# Altium PCB BDD_modul_ARM_v2.1_PCB.PcbDoc
Units mm, origin at the board's own origin, x right, y up, seen from the top; angles counter-clockwise.
Board outline 98 x 84 mm, 2 copper layers (Top Layer, Bottom Layer); 119 components, 78 nets, 389 pads, 143 vias.
Unrouted connection lines stored in the file: 1.
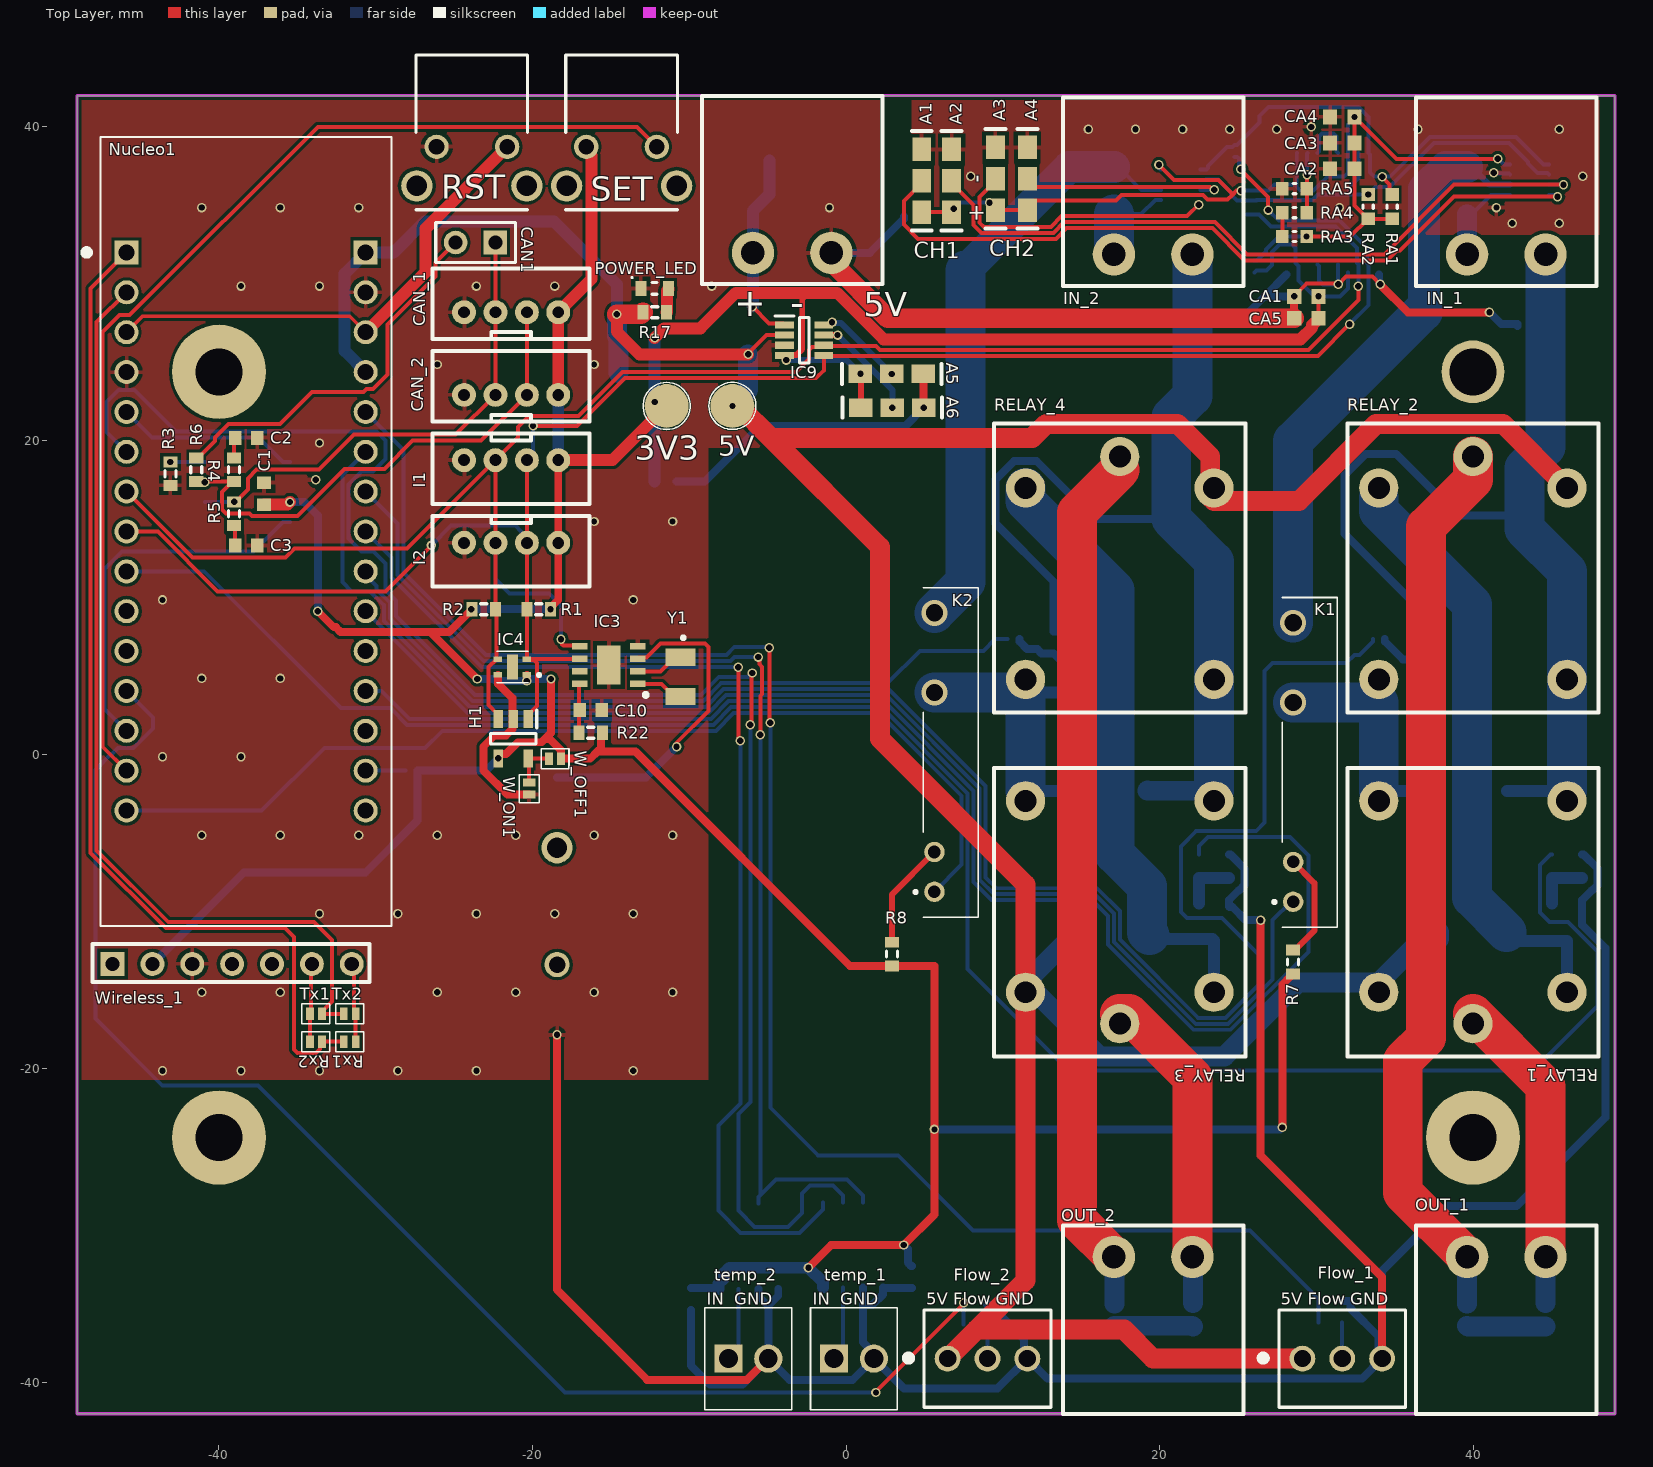
[diagram p0: Top Layer view]
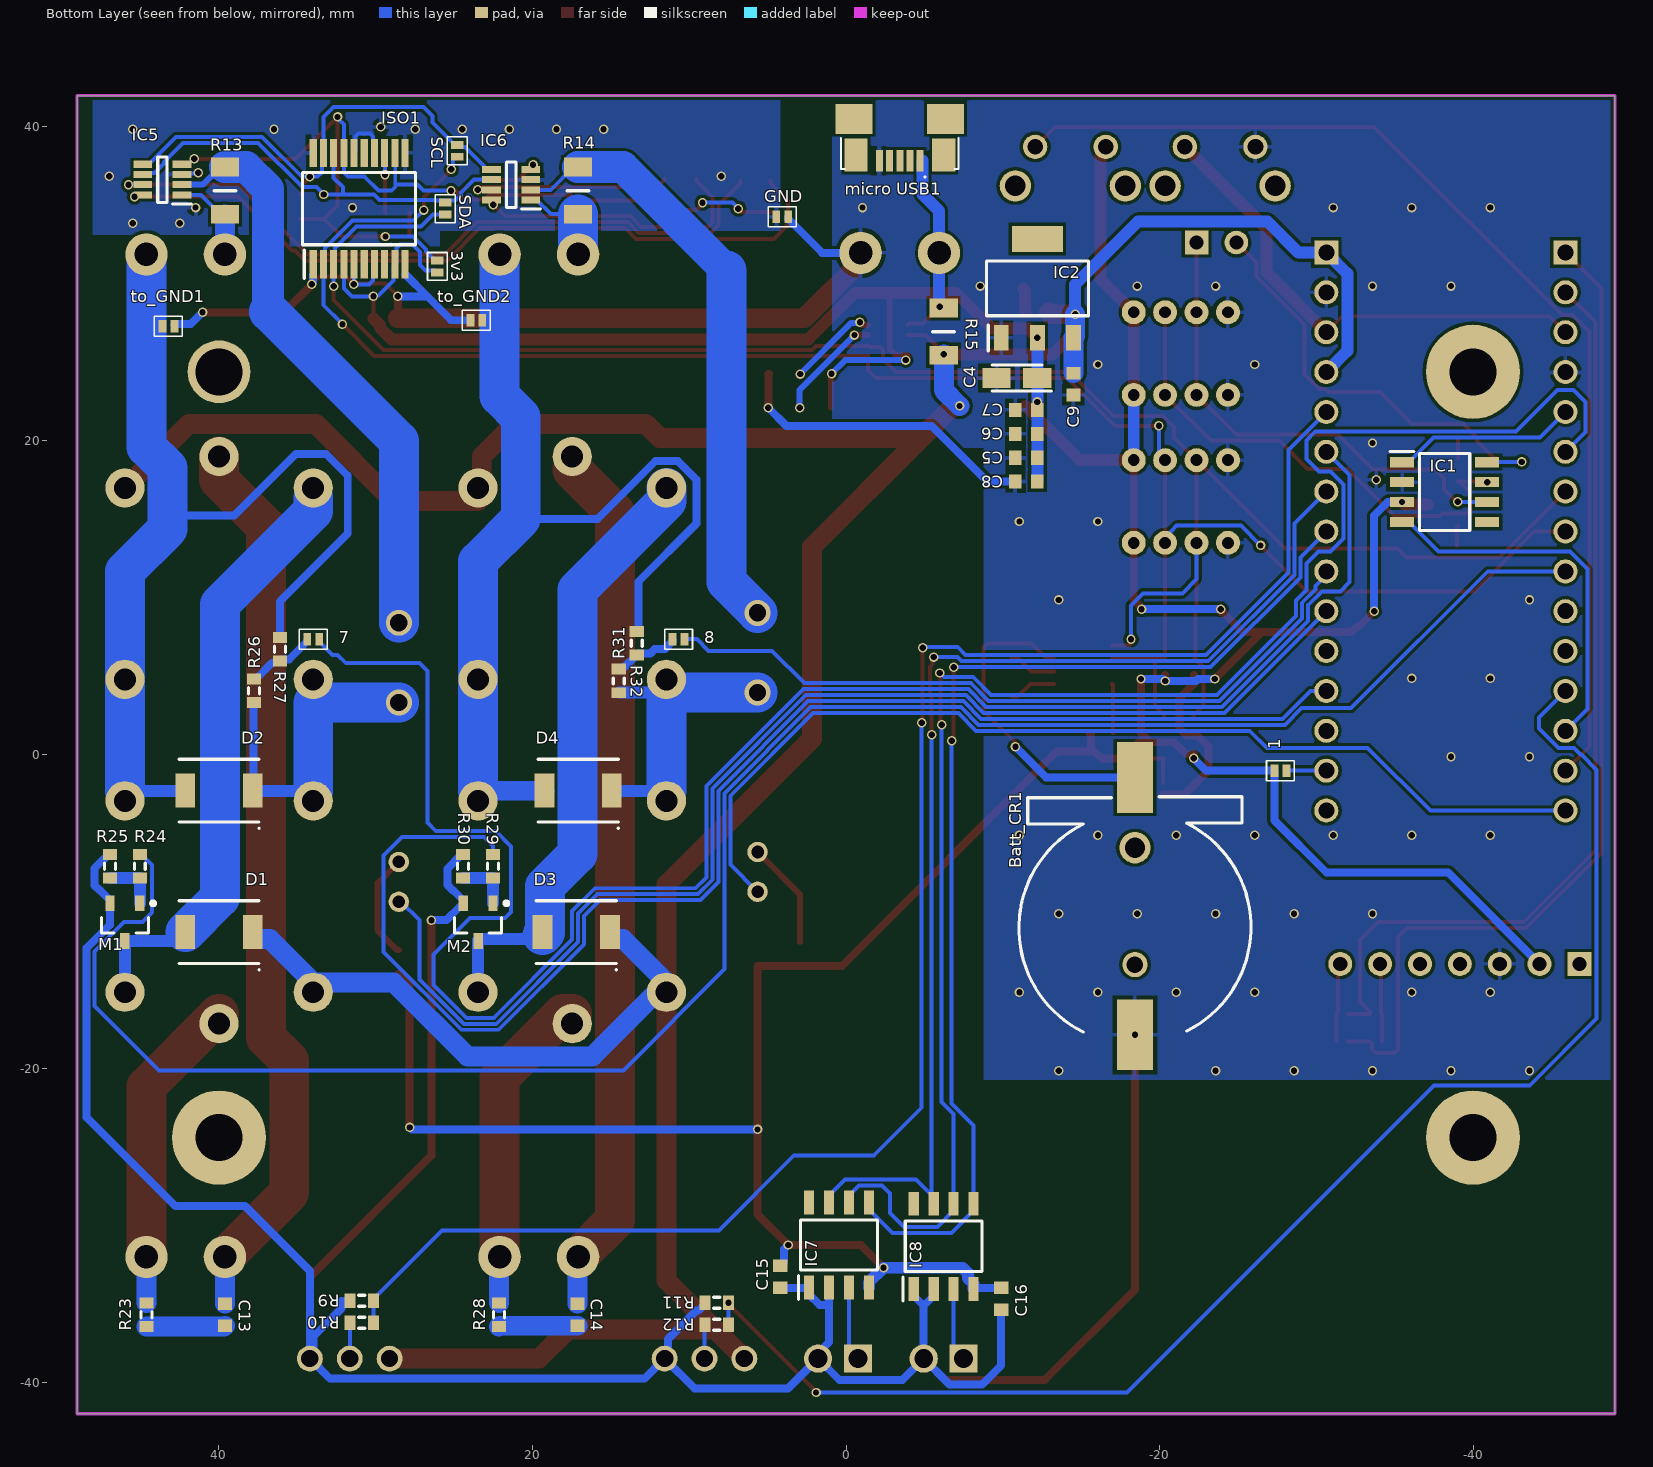
[diagram p1: Bottom Layer view, seen from below]

## Layer stack, top to bottom
Top Solder: solder mask 0.0102, Solder Resist, Dk 3.5
Top Layer: signal copper 0.0356
Dielectric 1: dielectric 0.32, FR-4, Dk 4.8
Bottom Layer: signal copper 0.0356
Bottom Solder: solder mask 0.0102, Solder Resist, Dk 3.5

## Board outline
-49,-42 49,-42 49,42 -49,42

## Design rules (kind name [scope] priority, off if disabled: settings)
Clearance [All] p1: gap=0.2 ignorepadtopadclearanceinfootprint=TRUE except(0.127: Arc-Arc Arc-Track Track-Track SMDPad-SMDPad; 0.54: THPad-THPad)
HoleSize [All] p1: absolutevalues=TRUE maxlimit=6.3 minlimit=0.2 maxpercent=80.000 minpercent=20.000
PolygonConnect [All] p1: connectstyle=Relief reliefconductorwidth=0.254 reliefentries=4 polygonreliefangle="90 Angle" airgapwidth=0.254
RoutingVias [All] p1: holewidth=0.4 width=0.6 viastyle="Through Hole" minholewidth=0.2 minwidth=0.4 maxholewidth=6.3 maxwidth=10
SilkToSilkClearance [All] p1: silktosilkclearance=0.025
SilkToSolderMaskClearance [IsPad] p1: minsilkscreentomaskgap=0.025 clearancetoexposedcopper=TRUE
SolderMaskExpansion [All] p1: expansion=0.102
Width [All] p1: maxlimit=25.4 minlimit=0.089 preferedwidth=0.254
27 further rules are at their usual default settings.

## Classes and differential pairs
component class Termoclanok: C15 C16 IC7 IC8 temp_1 temp_2
component class Izolator: 3v3 CA1 CA2 CA3 CA4 CA5 GND ISO1 RA1 RA2 RA3 RA4 RA5 SCL SDA
component class SHTC3: IC4
component class RTC: Batt_CR1 C10 IC3 R22 Y1
component class power_5V: 5V A5 A6 IC9 "micro USB1" R15
component class power_3V3: 3v3 C4 C5 C6 C7 C8 C9 IC2 POWER_LED R17
component class polarita_BDD_1: 7 C13 D1 D2 M1 R23 R24 R25 R26 R27 RELAY_1 RELAY_2 to_GND1
component class PAC_BDD_2: A3 A4 IC6 R14
component class PAC_BDD_1: A1 A2 IC5 R13
component class Flow: Flow_1 Flow_2 R9 R10 R11 R12
component class Eprom: H1 W_OFF1 W_ON1
component class Duty_cycle_BDD_2: K2 R8
component class Duty_cycle_BDD_1: K1 R7
component class Designator: C1 C2 C3 CAN1 IC1 R3 R4 R5 R6
component class polarita_BDD_2: 8 C14 D3 D4 M2 R28 R29 R30 R31 R32 RELAY_3 RELAY_4 to_GND2
component class BDD_modul_ARM_v2.1_Sheet: 1 CAN_1 CAN_2 I1 I2 IN_1 IN_2 Nucleo1 Nucleo? OUT_1 OUT_2 R1 R2 RST Rx1 Rx2 SET Tx1 Tx2 Wireless_1

## Components (designator, comment, footprint, x,y, rotation, side; value= is the part's Value field where it differs from the comment)
1 "JMP" JMP -27.686,-1.016 r0 bottom
3v3 "JMP" JMP 26.035,31.115 r90 bottom
3V3 "3V3" 1508000150000030 -11.43,22.225 r90 top
5V "5V" 1508000150000030 -7.239,22.225 r180 top
5V "B+,A-" CON_2CH_PLUG -3.429,31.98 r180 top (schematic designator 3)
7 "JMP" JMP 33.95,7.366 r180 bottom
8 "JMP" JMP 10.668,7.366 r180 bottom
A1 "ADR_PAD" SOLDER_PAD 4.826,36.576 r0 top (schematic designator A1_1)
A2 "ADR_PAD" SOLDER_PAD 6.731,36.576 r0 top (schematic designator A0_1)
A3 "ADR_PAD" SOLDER_PAD 9.525,36.703 r0 top (schematic designator A1_2)
A4 "ADR_PAD" SOLDER_PAD 11.557,36.703 r0 top (schematic designator A0_2)
A5 "ADR_PAD" SOLDER_PAD 2.921,24.273 r270 top
A6 "ADR_PAD" SOLDER_PAD 2.953,22.114 r270 top
Batt_CR1 "Battery" "Battery 1220" -18.415,-9.652 r0 bottom
C1 "0,1uF" 1608[0603] -37.084,16.637 r90 top value=100pF
C2 "560pF" 1608[0603] -38.227,20.193 r0 top value=100pF
C3 "560pF" 1608[0603] -38.227,13.335 r0 top value=100pF
C4 "10uF" CAPPM3216X180N -10.892,24.003 r0 bottom
C5 "4,7uF" 1608[0603] -11.492,18.923 r0 bottom value=100pF
C6 "4,7uF" 1608[0603] -11.492,20.447 r0 bottom value=100pF
C7 "4,7uF" 1608[0603] -11.492,21.971 r0 bottom value=100pF
C8 "4,7uF" 1608[0603] -11.492,17.399 r0 bottom value=100pF
C9 "100nF" 1608[0603] -14.492,23.622 r270 bottom value=100pF
C10 "3.3uF" 1608[0603] -16.256,2.841 r0 top
C13 "100nF" 1608[0603] 39.577,-35.687 r90 bottom value=100pF
C14 "100nF" 1608[0603] 17.105,-35.687 r90 bottom value=100pF
C15 "0.1uF" 1608[0603] 4.191,-33.274 r90 bottom
C16 "0.1uF" 1608[0603] -9.892,-34.671 r90 bottom
CA1 "100n" Capacitor 29.337,29.21 r180 top
CA2 "100n" Capacitor 31.623,37.338 r180 top
CA3 "100n" Capacitor 31.623,38.989 r180 top
CA4 "22u" Capacitor 31.623,40.64 r180 top
CA5 "10u" Capacitor 29.337,27.813 r180 top
CAN1 "Header 2" HDR1X2 -22.336,32.639 r180 top
CAN_1 "JST-4-STRAIGHT" JST-4-STRAIGHT -21.336,28.194 r0 top
CAN_2 "JST-4-STRAIGHT" JST-4-STRAIGHT -21.336,22.931 r0 top
D1 "SK52-DIO" D5A20V 39.95,-11.303 r0 bottom
D2 "SS14" D5A20V 39.95,-2.286 r0 bottom
D3 "SK52-DIO" D5A20V 17.192,-11.303 r0 bottom
D4 "SS14" D5A20V 17.065,-2.286 r0 bottom
Flow_1 "3way header" 1725669 34.163,-38.481 r0 top
Flow_2 "3way header" 1725669 11.557,-38.481 r0 top
GND "JMP" JMP 4.064,34.29 r0 bottom
H1 "AT24C01D-STUM-T" SOT95P280X145-5N -21.209,1.016 r270 top
I1 "JST-4-STRAIGHT" JST-4-STRAIGHT -21.336,18.768 r180 top
I2 "JST-4-STRAIGHT" JST-4-STRAIGHT -21.336,13.504 r180 top
IC1 "MCP2551-I_SN" SOIC127P600X175-8N -38.145,16.736 r180 bottom
IC2 "LD1117S33TR" SOT230P700X180-4N -12.192,29.718 r90 bottom
IC3 "PCF8523TK_1,118" SON80P400X400X100-9N -15.113,5.715 r180 top
IC4 "SHTC3" SHTC3 -20.86,5.58 r90 top
IC5 "INA219AIDCNR" SOT65P280X145-8N 43.561,36.649 r0 bottom
IC6 "INA219AIDCNR" SOT65P280X145-8N 21.336,36.324 r0 bottom
IC7 "MAX6675ISA" SOIC127P600X175-8N 0.448,-31.242 r90 bottom
IC8 "MAX6675ISA" SOIC127P600X175-8N -6.223,-31.324 r90 bottom
IC9 "INA219AIDCNR" SOT65P280X145-8N -2.667,26.416 r0 top
IN_1 "B+,A-" CON_2CH_PLUG 42.077,31.877 r180 top
IN_2 "B+,A-" CON_2CH_PLUG 19.573,31.877 r180 top
ISO1 "I2C_ISO" SOP65P780X200-20N 31.025,34.796 r90 bottom
K1 "AQZ102" AQZ102 31.295,-0.484 r90 top
K2 "AQZ102" AQZ102 8.435,0.151 r90 top
M1 "NMOS" SOT23 45.95,-10.668 r270 bottom
M2 "NMOS" SOT23 23.446,-10.668 r270 bottom
"micro USB1" "micro USB" "micro USB" -3.429,40.513 r0 bottom
Nucleo1 "NUCLEO-F303K8" *MODULE_NUCLEO-F303K8_NUCLEO-F303K8(Primary) -38.227,14.224 r0 top
OUT_1 "B+,A-" CON_2CH_PLUG 42.077,-32.004 r0 top
OUT_2 "B+,A-" CON_2CH_PLUG 19.573,-32.004 r0 top
POWER_LED "LED" LED5mA -12.192,29.718 r180 top (schematic designator POWER_LED1)
R1 "4k7" J1-0603 -19.586,9.271 r0 top value=1K5
R2 "4k7" J1-0603 -23.086,9.271 r180 top value=1K5
R3 "4,7K" J1-0603 -43.053,17.907 r270 top value=3,3k
R4 "100R" J1-0603 -38.989,18.161 r270 top value=3,3k
R5 "100R" J1-0603 -38.989,15.367 r90 top value=3,3k
R6 "120R" J1-0603 -41.402,18.161 r270 top value=3,3k
R7 "220 Ohm" J1-0603 28.495,-13.208 r90 top value=10K
R8 "220 Ohm" J1-0603 2.921,-12.7 r90 top value=10K
R9 "2K" J1-0603 30.861,-34.798 r180 bottom
R10 "1K" J1-0603 30.861,-36.195 r0 bottom
R11 "2K" J1-0603 8.243,-34.925 r180 bottom
R12 "1K" J1-0603 8.243,-36.322 r0 bottom
R13 "2mOhm" RESC3216X75N 39.577,35.941 r270 bottom
R14 "2mOhm" RESC3216X75N 17.073,35.941 r270 bottom
R15 "2mOhm" RESC3216X75N -6.223,26.956 r90 bottom
R17 "430R" J1-0603 -12.192,28.194 r0 top
R22 "1K" J1-0603 -16.256,1.397 r180 top
R23 "15R" J1-0603 44.577,-35.687 r270 bottom value=2R
R24 "5R" J1-0603 45,-7.112 r270 bottom value=200K
R25 "100K" J1-0603 46.9,-7.112 r90 bottom value=200K
R26 "100K" J1-0603 37.719,4.064 r90 bottom value=200K
R27 "8K" J1-0603 36.068,6.731 r90 bottom value=200K
R28 "15R" J1-0603 22.105,-35.687 r270 bottom value=2R
R29 "5R" J1-0603 22.496,-7.112 r270 bottom value=200K
R30 "100K" J1-0603 24.396,-7.112 r90 bottom value=200K
R31 "100K" J1-0603 14.478,4.699 r90 bottom value=200K
R32 "8K" J1-0603 13.335,7.112 r90 bottom value=200K
RA1 "4k7" Resistor 34.798,34.925 r270 top
RA2 "4k7" Resistor 33.274,34.925 r270 top
RA3 "16K" Resistor 28.575,33.02 r0 top
RA4 "900R" Resistor 28.575,34.544 r0 top
RA5 "10K" Resistor 28.575,36.068 r0 top
RELAY_1 "RELAY_DC" RELAY_DC 39.95,-17.137 r90 top
RELAY_2 "RELAY_DC" RELAY_DC 39.95,19.001 r270 top
RELAY_3 "RELAY_DC" RELAY_DC 17.446,-17.137 r90 top
RELAY_4 "RELAY_DC" RELAY_DC 17.446,19.001 r270 top
RST "button_right_angle" 1825027-8 -23.84,44.585 r180 top
Rx1 "JMP" JMP -31.623,-18.288 r180 top
Rx2 "JMP" JMP -33.782,-18.288 r180 top
SCL "JMP" JMP 24.765,38.481 r90 bottom
SDA "JMP" JMP 25.527,34.798 r90 bottom
SET "button_right_angle" 1825027-8 -14.3,44.585 r180 top
temp_1 "1725656" 282834-2_1 -0.762,-38.481 r0 top
temp_2 "1725656" 282834-2_1 -7.493,-38.481 r0 top
to_GND1 "JMP" JMP 43.18,27.305 r180 bottom
to_GND2 "JMP" JMP 23.557,27.686 r0 bottom
Tx1 "JMP" JMP -33.782,-16.51 r0 top
Tx2 "JMP" JMP -31.623,-16.51 r0 top
W_OFF1 "JMP" JMP -18.542,-0.254 r0 top
W_ON1 "JMP" JMP -20.193,-2.159 r90 top
Wireless_1 "header7" Wireless -46.736,-13.335 r0 top
Y1 "ABS07-120-32.768KHZ-T" ABS-07 -10.541,4.953 r270 top

## Footprints (in the part's own frame and the unit in brackets; to place one, negate y for a bottom-side part, rotate by r counter-clockwise, add the part's x,y. Pads: shape width x height; smd on the part's side, far side on the other; paste and mask are expansions set on the pad)
1608[0603] [mm] "Chip Capacitor, Body 1.6x0.8mm, IPC High Density"
  rect 0.8x0.9 smd: 1(-0.7,0) 2(0.7,0)
  body extent -0.87,-0.48 0.87,0.48, height 1.3
282834-2_1 [mm]
  rect 1.8x1.8 hole 1.2: 1(0,0)
  round 1.8 hole 1.2: 2(2.54,0)
  silkscreen extent -1.5,-3.25 4.04,3.25, body extent -1.5,-3.25 4.04,3.25, height 10
1725669 [mm]
  round 1.65 hole 1.1: 1(-5.08,0) 2(-2.54,0) 3(0,0)
  silkscreen extent -7.79,-3.1 1.5,3.1, body extent -6.61,-3.23 1.47,3.27, height 10.03
1825027-8 [mm]
  round 1.55 hole 1: 1(-2.25,5.85) 2(2.25,5.85)
  round 2 hole 1.3: 3(-3.505,8.34) 4(3.505,8.34)
  silkscreen extent -3.55,0 3.55,9.86, body extent -4.2,-2.58 4.2,9.78, height 7
1508000150000030 [mil]
  round 110 smd: 1(0,0)
  silkscreen extent -59,-59 59,59
*MODULE_NUCLEO-F303K8_NUCLEO-F303K8(Primary) [mm]
  rect 1.53x1.53 hole 1.02: 3.1(-7.62,17.78) 4.1(7.62,17.78)
  round 1.53 hole 1.02: 3.2(-7.62,15.24) 3.3(-7.62,12.7) 3.4(-7.62,10.16) 3.5(-7.62,7.62) 3.6(-7.62,5.08) 3.7(-7.62,2.54) 3.8(-7.62,0) 3.9(-7.62,-2.54) 3.10(-7.62,-5.08) 3.11(-7.62,-7.62) 3.12(-7.62,-10.16) 3.13(-7.62,-12.7) 3.14(-7.62,-15.24) 3.15(-7.62,-17.78) 4.2(7.62,15.24) 4.3(7.62,12.7) 4.4(7.62,10.16) 4.5(7.62,7.62) 4.6(7.62,5.08) 4.7(7.62,2.54) 4.8(7.62,0) 4.9(7.62,-2.54) 4.10(7.62,-5.08) 4.11(7.62,-7.62) 4.12(7.62,-10.16) 4.13(7.62,-12.7) 4.14(7.62,-15.24) 4.15(7.62,-17.78)
  silkscreen extent -10.36,-25.14 9.27,25.14, body extent -9.4,-24.26 9.14,27.75, height 7.57
ABS-07 [mm]
  rect 1.1x1.9 smd: 1(-1.25,0) 2(1.25,0)
  silkscreen extent -2.58,0.09 -2.41,0.26, body extent -1.65,-0.89 1.65,0.89, height 0.9
AQZ102 [mm]
  round 1.3 hole 0.8: 1(-8.89,2.8) 2(-6.35,2.8)
  round 1.65 hole 1.1: 3(3.81,2.8) 4(8.89,2.8)
  silkscreen extent -10.5,0 10.5,4.1, body extent -10.5,0 10.5,3.5, height 11.1
"Battery 1220" [mm]
  rect 2.3x4.5 smd: 1(0,-8.2) 2(0,8.2)
  round 2 hole 1.3: ""(0,-3.725)
  round 1.6 hole 1.05: ""(0,3.725)
  silkscreen extent -7.39,-6.97 7.4,8.03, body extent -7.37,-8.9 7.37,10.3, height 4.35
Capacitor [mm]
  rect 0.9x0.95 smd: 1(-0.775,0) 2(0.775,0)
  body extent -0.8,-0.4 0.8,0.4, height 0.5
CAPPM3216X180N [mm]
  rect 1.8x1.3 smd: 1(-1.3,0) 2(1.3,0)
  silkscreen extent -2.2,-0.82 1.6,0.82, body extent -1.6,-0.82 1.6,0.82, height 1.8
CON_2CH_PLUG [mm] "TBG-5.0-KW-2P"
  round 2.7 hole 1.5: 1(-2.5,0) 2(2.5,0)
  silkscreen extent -5.75,-10 5.75,2, body extent -6,-10.09 6,1.91, height 8.5
D5A20V [mm] "Schottky 5A 20V"
  rect 1.25x2.15 smd: 1(-2.15,0) 2(2.15,0)
  silkscreen extent -2.6,-2 2.55,2.45, body extent -2.7,-2 2.7,2, height 2.4
HDR1X2 [mm] "Connector; Header; 2 Position"
  rect 1.5x1.5 hole 0.9: 1(0,0)
  round 1.5 hole 0.9: 2(2.54,0)
  silkscreen extent -1.27,-1.27 3.81,1.27
J1-0603 [mm] "Chip Resistor, Body 1.6x0.8mm, IPC High Density"
  rect 0.7x0.9 smd: 1(-0.75,0) 2(0.75,0)
  silkscreen extent -0.2,-0.35 0.2,0.35, body extent -0.85,-0.48 0.85,0.48, height 0.9
JMP [mm] "Jumper_solder"
  rect 0.5x0.8 smd: 1(-0.381,0) 2(0.381,0)
  silkscreen extent -0.89,-0.64 0.89,0.64
JST-4-STRAIGHT [mil] "B4B-PH-K-S"
  round 60 hole 30: 1(-118.11,0) 2(-39.37,0) 3(39.37,0) 4(118.11,0)
  silkscreen extent -197,-67 197,110, body extent -195,-69 195,109, height 98
LED5mA [mm]
  rect 0.7x0.95 smd: 1(-0.875,0) 2(0.875,0)
  silkscreen extent -0.15,-0.74 1.49,0.38, body extent -0.81,-0.4 0.81,0.4, height 0.6
"micro USB" [mm]
  rect 0.45x1.38 smd: 1(-1.3,2.66) 2(-0.65,2.66) 3(0,2.66) 4(0.65,2.66) 5(1.3,2.66)
  rect 1.475x2.1 smd: SH1(-2.8,2.3) SH2(2.8,2.3)
  rect 2.375x1.9 smd: SH3(-2.913,0) SH6(2.913,0)
  silkscreen extent -3.75,1.2 3.75,3.75, body extent -3.99,-2.78 3.99,2.65, height 2.69
RELAY_DC [mm] "RM51-3011-85-1005"
  round 2.5 hole 1.4: 1(0,0) 2(2,6) 3(14.2,6) 4(14.2,-6) 5(2,-6)
  silkscreen extent -2.1,-8 16.3,8, body extent -2.65,-8.01 16.85,7.99, height 17.5
RESC3216X75N [mm]
  rect 1.2x1.8 smd: 1(-1.5,0) 2(1.5,0)
  silkscreen extent 0,-0.7 0,0.7, body extent -1.6,-0.8 1.6,0.8, height 0.75
Resistor [mm]
  rect 0.8x0.85 smd: 1(-0.775,0) 2(0.775,0)
  silkscreen extent -0.1,-0.33 0.1,0.33, body extent -0.8,-0.4 0.8,0.4, height 0.5
SHTC3 [mm]
  rect 0.35x0.55 smd: 1(-0.5,-0.525) 2(0.5,-0.525) 3(0.5,1.325) 4(-0.5,1.325)
  rect 1.6x0.7 smd: 5(0,0.4)
  silkscreen extent -1,-1.4 1,1.4
SOIC127P600X175-8N [mm]
  rect 1.525x0.65 smd: 1(-2.712,1.905) 2(-2.712,0.635) 3(-2.712,-0.635) 4(-2.712,-1.905) 5(2.712,-1.905) 6(2.712,-0.635) 7(2.712,0.635) 8(2.712,1.905)
  silkscreen extent -3.47,-2.45 1.6,2.58, body extent -3,-2.45 3,2.45, height 1.75
SOLDER_PAD [mm]
  rect 1.2x1.5 smd: 1(0,2) 2(0,0) 3(0,-2)
  silkscreen extent -0.64,-3.17 0.64,3.17
SON80P400X400X100-9N [mm]
  rect 1x0.4 smd: 1(-1.85,1.2) 2(-1.85,0.4) 3(-1.85,-0.4) 4(-1.85,-1.2) 5(1.85,-1.2) 6(1.85,-0.4) 7(1.85,0.4) 8(1.85,1.2)
  rect 1.5x2.5 smd: 9(0,0)
  silkscreen extent -2.48,1.78 -2.23,2.02, body extent -2.05,-2 2.05,2, height 1
SOP65P780X200-20N [mm]
  rect 1.8x0.45 smd: 1(-3.55,2.925) 2(-3.55,2.275) 3(-3.55,1.625) 4(-3.55,0.975) 5(-3.55,0.325) 6(-3.55,-0.325) 7(-3.55,-0.975) 8(-3.55,-1.625) 9(-3.55,-2.275) 10(-3.55,-2.925) 11(3.55,-2.925) 12(3.55,-2.275) 13(3.55,-1.625) 14(3.55,-0.975) 15(3.55,-0.325) 16(3.55,0.325) 17(3.55,0.975) 18(3.55,1.625) 19(3.55,2.275) 20(3.55,2.925)
  silkscreen extent -4.45,-3.6 2.3,3.6, body extent -3.9,-3.6 3.9,3.6, height 2
SOT23 [mm] "SOT23, 3-Leads, Body 2,56x2,37mm, Pitch 0,95mm, IPC Medium Density"
  rect 1x0.6 smd: 1(-1.2,0.95) 2(-1.2,-0.95) 3(1.2,0)
  silkscreen extent -1.32,-1.5 0.7,1.92, body extent -1.32,-1.52 1.32,1.52, height 1.12
SOT65P280X145-8N [mm]
  rect 1.2x0.45 smd: 1(-1.25,0.975) 2(-1.25,0.325) 3(-1.25,-0.325) 4(-1.25,-0.975) 5(1.25,-0.975) 6(1.25,-0.325) 7(1.25,0.325) 8(1.25,0.975)
  silkscreen extent -1.85,-1.45 0.3,1.55, body extent -1.4,-1.45 1.4,1.45, height 1.45
SOT95P280X145-5N [mm]
  rect 1.15x0.6 smd: 1(-1.25,0.95) 2(-1.25,0) 3(-1.25,-0.95) 4(1.25,-0.95) 5(1.25,0.95)
  silkscreen extent -1.83,-1.45 0.33,1.5, body extent -1.4,-1.45 1.4,1.45, height 1.45
SOT230P700X180-4N [mm]
  rect 1.65x0.95 smd: 1(-3.15,2.3) 2(-3.15,0) 3(-3.15,-2.3)
  rect 1.65x3.25 smd: 4(3.15,0)
  silkscreen extent -3.98,-3.25 1.75,3.25, body extent -3.5,-3.25 3.5,3.25, height 1.8
Wireless [mil]
  rect 60x60 hole 35.43: 1(0,0)
  round 60 hole 35.43: 2(100,0) 3(200,0) 4(300,0) 5(400,0) 6(500,0) 7(600,0)
  silkscreen extent -50,-45 645,50, body extent -80,-1235 786,60, height 657

## Part data
3V3 5V: library part 5015, "Undefined or Miscellaneous", Manufacturer_Name="Keystone Electronics", Mouser Part Number=534-5015, Allied_Number=70182998, Allied Price/Stock=https://www.alliedelec.com/keystone-electronics-5015/70182998/, Datasheet Link=http://www.keyelco.com/product-pdf.cfm?p=1353, Height=1.52mm, Manufacturer_Part_Number=5015, Mouser Price/Stock=https://www.mouser.com/Search/Refine.aspx?Keyword=534-5015
5V IN_1 IN_2 OUT_1 OUT_2: library part CON_2CH_PLUG, "TBG-5.0-KW-2P"
A1 A2 A3 A4 A5 A6: "ADR PAD 3 PIN"
Batt_CR1: library part 1074, "Undefined or Miscellaneous", Manufacturer_Name="Keystone Electronics", Mouser Part Number=534-1074, Datasheet Link=https://componentsearchengine.com/Datasheets/1/1074.pdf, Height=18.3mm, Manufacturer_Part_Number=1074, Mouser Price/Stock=https://www.mouser.com/Search/Refine.aspx?Keyword=534-1074
C1 C2 C3 C10 C13 C14 C15 C16: library part "Cap Semi", "Capacitor (Semiconductor SIM Model)", LatestRevisionDate=29-May-2009, LatestRevisionNote="IPC-7351 Footprint Added.", PackageDescription="Chip Capacitor", PackageReference=C1206, Published=8-Jun-2000, Publisher="Altium Limited"
C4: library part TAJA106K004RNJ, "Capacitor Polarised", Manufacturer_Name=AVX, Mouser Part Number=581-TAJA106K004R, Datasheet Link=http://www.farnell.com/datasheets/1680476.pdf, Height=1.8mm, Manufacturer_Part_Number=TAJA106K004RNJ, Mouser Price/Stock=https://www.mouser.com/Search/Refine.aspx?Keyword=581-TAJA106K004R
C5 C6 C7 C8 C9: library part "Cap Semi", "Capacitor", LatestRevisionDate=29-May-2009, LatestRevisionNote="IPC-7351 Footprint Added.", PackageDescription="Chip Capacitor", PackageReference=C1206, Published=8-Jun-2000, Publisher="Altium Limited"
CA1 CA2 CA3 CA4 CA5: library part Cap, "Capacitor"
CAN1: "Header, 2-Pin", LatestRevisionDate=17-Jul-2002, LatestRevisionNote="Re-released for DXP Platform.", Publisher="Altium Limited"
CAN_1 CAN_2 I1 I2: "B4B-PH-K-S"
D1 D2 D3 D4: library part D_5A_20V
Flow_1 Flow_2: library part 1725669, "3 way PCB vertical mount terminal,2.54mm 3 way PCB vertical mount terminal,2.54mm", Manufacturer_Name="Phoenix Contact", RS Part Number=2204276, Allied_Number=70054336, Allied Price/Stock=http://www.alliedelec.com/phoenix-contact-1725669/70054336/, Arrow Part Number=1725669, Arrow Price/Stock=https://www.arrow.com/en/products/1725669/phoenix-contact, Datasheet Link=http://uk.rs-online.com/web/p/products/2204276, Manufacturer_Part_Number=1725669, RS Price/Stock=http://uk.rs-online.com/web/p/products/2204276
GND: library part 5018, "Test Point"
H1: "Hardware", Manufacturer_Name=Microchip, Mouser Part Number=556-AT24C01D-STUM-T, RS Part Number=8988614, Datasheet Link=https://componentsearchengine.com/Datasheets/1/AT24C01D-STUM-T.pdf, Height=1.45mm, Manufacturer_Part_Number=AT24C01D-STUM-T, Mouser Price/Stock=https://www.mouser.com/Search/Refine.aspx?Keyword=556-AT24C01D-STUM-T, RS Price/Stock=https://uk.rs-online.com/web/p/products/8988614
IC1: "Integrated Circuit", Manufacturer_Name=Microchip, Manufacturer_Part_Number=MCP2551-I/SN, Mouser Part Number=579-MCP2551-I/SN, RS Part Number=0402904P, Allied_Number=70045403, Allied Price/Stock=http://www.alliedelec.com/microchip-technology-inc-mcp2551-i-sn/70045403/, Datasheet Link=http://docs-emea.rs-online.com/webdocs/0a78/0900766b80a78cdb.pdf, Height=1.75mm, Mouser Price/Stock=https://www.mouser.com/Search/Refine.aspx?Keyword=579-MCP2551-I%2FSN, RS Price/Stock=http://uk.rs-online.com/web/p/products/0402904P
IC2: "Integrated Circuit", Manufacturer_Name=STMicroelectronics, Mouser Part Number=511-LD1117S33, RS Part Number=7140697P, Allied_Number=70390201, Allied Price/Stock=http://www.alliedelec.com/stmicroelectronics-ld1117s33tr/70390201/, Datasheet Link=http://www.st.com/st-web-ui/static/active/en/resource/technical/document/datasheet/CD00000544.pdf, Height=1.8mm, Manufacturer_Part_Number=LD1117S33TR, Mouser Price/Stock=https://www.mouser.com/Search/Refine.aspx?Keyword=511-LD1117S33, RS Price/Stock=http://uk.rs-online.com/web/p/products/7140697P
IC3: "Integrated Circuit", Manufacturer_Name=Nexperia, Manufacturer_Part_Number=PCF8523TK/1,118, Mouser Part Number=771-PCF8523TK/1118, Datasheet Link=https://www.arrow.com/en/products/pcf8523tk1118/nxp-semiconductors, Height=1mm, Mouser Price/Stock=https://www.mouser.com/Search/Refine.aspx?Keyword=771-PCF8523TK%2F1118
IC4: "Integrated Circuit", Manufacturer_Name=Sensirion, Mouser Part Number=403-SHTC3, Datasheet Link=https://www.glynshop.com/erp/owweb/Daten/Datenblaetter/Sensirion/SHTC3.pdf, Height=0mm, Manufacturer_Part_Number=SHTC3, Mouser Price/Stock=https://www.mouser.com/Search/Refine.aspx?Keyword=403-SHTC3
IC5 IC6 IC9: library part INA219BIDCNR, "Integrated Circuit", Manufacturer_Name="Texas Instruments", Mouser Part Number=595-INA219BIDCNR, Datasheet Link=http://www.ti.com/lit/ds/symlink/ina219.pdf, Height=1.45mm, Manufacturer_Part_Number=INA219BIDCNR, Mouser Price/Stock=https://www.mouser.com/Search/Refine.aspx?Keyword=595-INA219BIDCNR
IC7 IC8: "Integrated Circuit", Manufacturer_Name="Maxim Integrated", Mouser Part Number=N/A, Datasheet Link=http://datasheets.maximintegrated.com/en/ds/MAX6675.pdf, Height=1.75mm, Manufacturer_Part_Number=MAX6675ISA, Mouser Price/Stock=https://www.mouser.com/Search/Refine.aspx?Keyword=N%2FA
ISO1: "ADM3260_mouser"
K1 K2: "Relay or Contactor", Manufacturer_Name=Panasonic, Mouser Part Number=769-AQZ102, Arrow Part Number=AQZ102, Arrow Price/Stock=https://www.arrow.com/en/products/aqz102/panasonic, Datasheet Link=https://industrial.panasonic.com/ac/cdn/e/control/relay/photomos/catalog/semi_eng_pwr1a_aqz10_20.pdf, Height=11mm, Manufacturer_Part_Number=AQZ102, Mouser Price/Stock=https://www.mouser.co.uk/ProductDetail/Panasonic-Industrial-Devices/AQZ102?qs=tR16lFwwUU%2FVYpsj8M3w%252BA%3D%3D
M1 M2: Supplier Part Number 1=1857299, Supplier 1=Farnell
Nucleo1: "STM32 Nucleo-32 development board with STM32F303K8T6 MCU, supports Arduino connectivity", Package=None, Availability=Unavailable, MF=STMicroelectronics, MP=NUCLEO-F303K8, Price=None, SnapEDA_Link=https://www.snapeda.com/parts/NUCLEO-F303K8/STMicroelectronics/view-part/?ref=snap
R1 R2 R3 R4 R5 R6 R7 R8 R9 R10 R11 R12 R13 R14 R15 R17 R22 R23 R24 R25 R26 R27 R28 R29 R30 R31 R32: library part Res3, "Resistor", LatestRevisionDate=29-May-2009, LatestRevisionNote="IPC-7351 Footprint Added.", PackageDescription="Chip Resistor", PackageReference=J1-0603, Published=8-Jun-2000, Publisher="Altium Limited"
RA1 RA2 RA3 RA4 RA5: library part Resistor, "Resistor"
RELAY_1 RELAY_2 RELAY_3 RELAY_4: "RM51-3011-85-1005"
RST SET: "Switch", Manufacturer_Name="TE Connectivity", Manufacturer_Part_Number=1825027-8, Mouser Part Number=506-1825027-8, RS Part Number=7182389P, Datasheet Link=http://www.te.com/commerce/DocumentDelivery/DDEController?Action=srchrtrv&DocNm=1825027&DocType=Customer+Drawing&DocLang=English, Mouser Price/Stock=https://www.mouser.com/Search/Refine.aspx?Keyword=506-1825027-8, RS Price/Stock=http://uk.rs-online.com/web/p/products/7182389P
temp_1 temp_2: "2 way PCB vertical mount terminal,2.54mm 2 way PCB vertical mount terminal,2.54mm", Manufacturer_Name="Phoenix Contact", RS Part Number=2204260, Allied_Number=70054335, Allied Price/Stock=http://www.alliedelec.com/phoenix-contact-1725656/70054335/, Arrow Part Number=1725656, Arrow Price/Stock=https://www.arrow.com/en/products/1725656/phoenix-contact, Datasheet Link=https://www.phoenixcontact.com/online/portal/gb?uri=pxc-oc-itemdetail:pid=1725656&library=gben&tab=1, Geometry.Height=8mm, Manufacturer_Part_Number=1725656, RS Price/Stock=http://uk.rs-online.com/web/p/products/2204260
Wireless_1: library part Wireless
Y1: "Crystal or Oscillator", Manufacturer_Name=ABRACON, Mouser Part Number=815-ABS0712032.768KT, RS Part Number=1712688P, Datasheet Link=http://www.abracon.com/Resonators/ABS07-120-32.768kHz-T.pdf, Manufacturer_Part_Number=ABS07-120-32.768KHZ-T, Mouser Price/Stock=https://www.mouser.com/Search/Refine.aspx?Keyword=815-ABS0712032.768KT, RS Price/Stock=http://uk.rs-online.com/web/p/products/1712688P

## Free pads (board coordinates)
  round 6 hole 3: 9(-39.95,-24.4) 9(-39.95,24.4) 9(39.95,-24.4)
  round 4 hole 3: 9(39.95,24.4)
